# Altium PCB new -finish.PcbDoc (part 1 of 2)
Units mil, origin at the board's own origin, x right, y up, seen from the top; angles counter-clockwise.
Board outline 5529.7 x 2299.1 mil, 2 copper layers (Top Layer, Bottom Layer); 128 components, 106 nets, 434 pads, 104 vias.
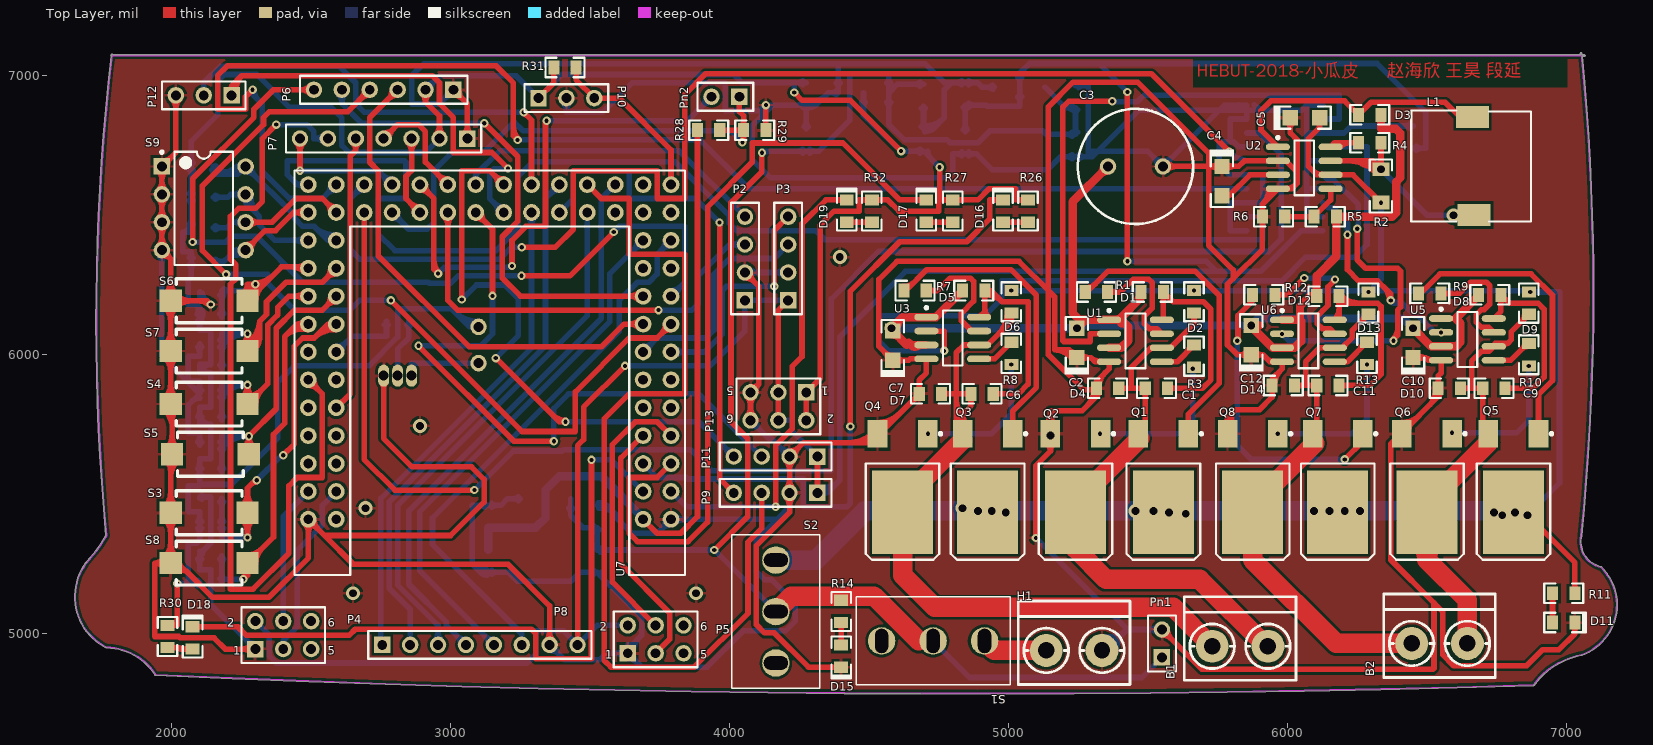
[diagram p0: Top Layer view]
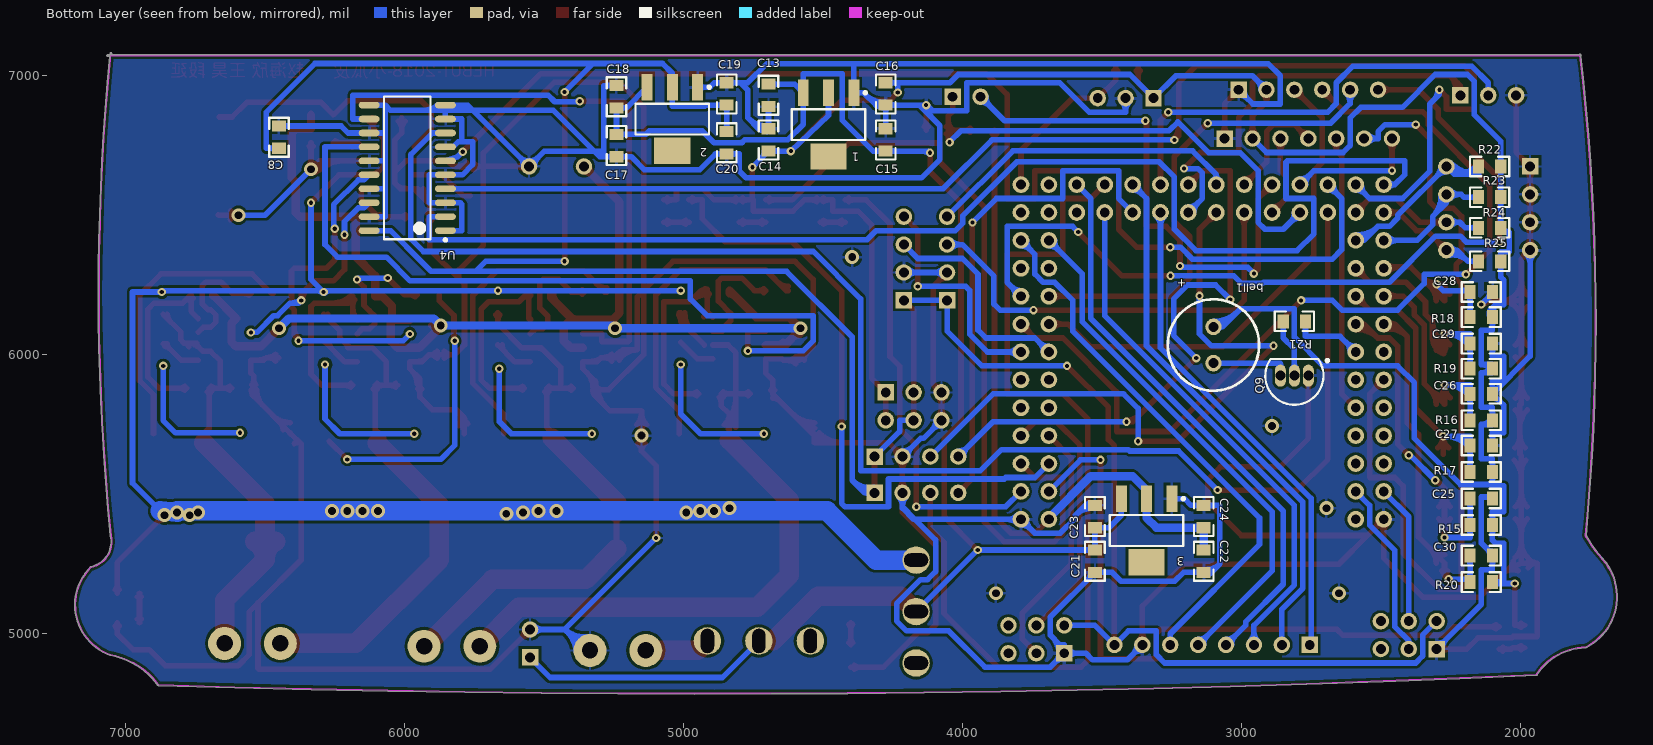
[diagram p1: Bottom Layer view, seen from below]

## Layer stack, top to bottom
Top Layer: signal copper 1.4
Dielectric: dielectric 12.6, FR-4, Dk 4.8
Bottom Layer: signal copper 1.4

## Board outline
1766.46,4948.82 cw(c1763.61,4739.71) 1766.48,4948.82 cw(c1766.49,4951.34) 1765.36,4949.09 cw(c1857.94,5132.66) 1701.98,5266.61 cw(c1703.89,5264.97) 1702.05,5266.69 ccw(c1354.87,5583.62) 1763.92,5351.97 cw(c10055.25,6117.88) 1783.27,7070.29 cw(c1785,7072.11) 1783.73,7074.28 cw(c10055.25,6117.88) 1783.83,7075.14 cw(c1786.32,7074.85) 1788.84,7074.85 cw(c1786.32,7074.85) 1788.83,7074.62 7050.6,7074.62 ccw(c-1623.14,6220.55) 7050.08,7079.96 cw(c7052.58,7080.21) 7055.08,7080.46 cw(c-1623.14,6220.55) 7055.66,7074.62 7064.01,7074.62 cw(c7064.01,7072.11) 7066.52,7072.11 cw(c7064.01,7072.11) 7064.01,7069.6 7056.15,7069.6 cw(c-1623.14,6220.55) 7097.58,6220.55 cw(c-1623.14,6220.55) 7054.14,5351.17 cw(c7051.63,5351.42) 7054.08,5350.85 ccw(c7144.82,5330.7) 7124.63,5239.97 ccw(c7144.82,5330.7) 7124.65,5239.97 7124.63,5239.97 cw(c7124.11,5237.51) 7125.89,5239.29 cw(c6989.57,5103.27) 7182.14,5103.27 cw(c6989.57,5103.27) 7055.42,4922.3 cw(c7054.56,4924.67) 7055.01,4922.19 ccw(c7103.51,4655.1) 6884.42,4815.39 ccw(c7103.51,4655.1) 6884.41,4815.37 6884.42,4815.39 cw(c6882.38,4816.86) 6882.46,4814.34 cw(c4888.74,69406.09) 1942.07,4850.8 cw(c1942.19,4853.31) 1940.05,4851.98 cw(c1763.61,4739.71) 1940.06,4851.96 1940.05,4851.98 ccw(c1763.61,4739.71)

## Design rules (kind name [scope] priority, off if disabled: settings)
Clearance [All] p1: gap=10
PolygonConnect [All] p1: connectstyle=Relief reliefconductorwidth=10 reliefentries=4 polygonreliefangle="90 Angle" airgapwidth=10
RoutingVias [All] p1: holewidth=15 width=30 viastyle="Through Hole" minholewidth=15 minwidth=30 maxholewidth=15 maxwidth=30
SolderMaskExpansion [All] p1: expansion=4
Width [All] p1: maxlimit=80 minlimit=20 preferedwidth=20
28 further rules are at their usual default settings.

## Classes and differential pairs
component class "mos motor": B1 B2 C1 C2 C3 C4 C5 C6 C7 C8 C9 C10 C11 C12 D1 D2 D3 D4 D5 D6 D7 D8 D9 D10 D11 D12 D13 D14 L1 Q1 Q2 Q3 Q4 Q5 Q6 Q7 Q8 R1 R2 R3 R4 R5 R6 R7 R8 R9 R10 R11 R12 R13 U1 U2 U3 U4 U5 U6
component class 新主控板: 1 2 3 bell1 C13 C14 C15 C16 C17 C18 C19 C20 C21 C22 C23 C24 C25 C26 C27 C28 C29 C30 D15 D16 D17 D18 D19 H1 P2 P3 P4 P5 P6 P7 P8 P9 P10 P11 P12 P13 Pn1 Pn2 Q9 R14 R15 R16 R17 R18 R19 R20 R21 R22 R23 R24 R25 R26 R27 R28 R29 R30 R31 R32 S1 S2 S3 S4 S5 S6 S7 S8 S9 U7

## Components (designator, comment, footprint, x,y, rotation, side; value= is the part's Value field where it differs from the comment)
1 "LT1117-3.3" 1117 4480,6825 r270 bottom
2 "LT1117-5.0" 1117 5040,6845 r270 bottom
3 "LT1117-5" 1117 3340,5370 r270 bottom
B1 "Motor" KF301-2P 5830,4955 r90 top
B2 "Motor" KF301-2P 6545,4965 r90 top
bell1 "Bell" 470uF 3100,6140 r270 bottom
C1 "Cap" 0805(2012) 5530,5880 r180 top
C2 "Cap Pol1" SOD-323(0805) 5245,6040 r270 top
C3 "Cap Pol1" RB5-10.5 5455,6675 r0 top
C4 "Cap Pol1" SOD-323(0805) 5765,6625 r90 top
C5 "Cap Pol1" SOD-323(0805) 6060,6850 r180 top
C6 "Cap" 0805(2012) 4905,5860 r180 top
C7 "Cap Pol1" SOD-323(0805) 4585,6030 r270 top
C8 "Cap" 0805(2012) 6450,6780 r270 bottom
C9 "Cap" 0805(2012) 6740,5880 r180 top
C10 "Cap Pol1" SOD-323(0805) 6450,6040 r270 top
C11 "Cap" 0805(2012) 6145,5890 r180 top
C12 "Cap Pol1" SOD-323(0805) 5870,6050 r270 top
C13 "Cap Pol1" 0805(2012) 4695,6930 r270 bottom
C14 "Cap Pol1" 0805(2012) 4695,6770 r90 bottom
C15 "Cap" 0805(2012) 4275,6770 r270 bottom
C16 "Cap" 0805(2012) 4275,6935 r90 bottom
C17 "Cap" 0805(2012) 5240,6750 r90 bottom
C18 "Cap" 0805(2012) 5240,6925 r270 bottom
C19 "Cap" 0805(2012) 4845,6935 r270 bottom
C20 "Cap" 0805(2012) 4845,6760 r90 bottom
C21 "Cap Pol1" 0805(2012) 3525,5260 r270 bottom
C22 "Cap Pol1" 0805(2012) 3135,5260 r270 bottom
C23 "Cap" 0805(2012) 3525,5420 r270 bottom
C24 "Cap" 0805(2012) 3135,5420 r270 bottom
C25 "Cap" 0805(2012) 2140,5485 r0 bottom
C26 "Cap" 0805(2012) 2140,5860 r0 bottom
C27 "Cap" 0805(2012) 2140,5675 r0 bottom
C28 "Cap" 0805(2012) 2140,6225 r0 bottom
C29 "Cap" 0805(2012) 2140,6040 r0 bottom
C30 "Cap" 0805(2012) 2140,5280 r0 bottom
D1 "1N5819" 0805(2012) 5515,6225 r180 top
D2 "1N5819" 0805(2012) 5665,6190 r270 top
D3 "1N5819" 0805(2012) 6295,6860 r180 top
D4 "1N5819" 0805(2012) 5355,5880 r180 top
D5 "1N5819" 0805(2012) 4875,6230 r180 top
D6 "1N5819" 0805(2012) 5010,6190 r270 top
D7 "1N5819" 0805(2012) 4720,5860 r180 top
D8 "1N5819" 0805(2012) 6725,6215 r180 top
D9 "1N5819" 0805(2012) 6865,6185 r270 top
D10 "1N5819" 0805(2012) 6580,5880 r180 top
D11 "RED" 0805LED 6990,5040 r0 top
D12 "1N5819" 0805(2012) 6145,6210 r180 top
D13 "1N5819" 0805(2012) 6290,6185 r270 top
D14 "1N5819" 0805(2012) 5985,5890 r180 top
D15 "RED" 0805LED 4400,4920 r270 top
D16 "LED0" 0805LED 4980,6515 r90 top
D17 "LED0" 0805LED 4705,6515 r90 top
D18 "LED0" 0805LED 2075,4985 r90 top
D19 "LED0" 0805LED 4420,6515 r90 top
H1 "H1" KF301-2P 5235,4940 r90 top
L1 "Inductor" 电感10*12 6660,6675 r90 top
P2 "blueteeth" HDR1X4 4055,6195 r90 top
P3 "blueteeth" HDR1X4 4210,6195 r90 top
P4 "encode_2" HDR2X3 2300,4945 r0 top
P5 "encode_1" HDR2X3 3635,4930 r0 top
P6 "Header 6" HDR1X6 3010,6950 r180 top
P7 "遥控" HDR1X7 3060,6775 r180 top
P8 "Header 8" HDR1X8 2755,4960 r0 top
P9 "Header 4" HDR1X4 4315,5505 r180 top
P10 "Header 3" HDR1X3 3315,6920 r0 top
P11 "Header 4" HDR1X4 4315,5635 r180 top
P12 "Header 3" HDR1X3 2215,6930 r180 top
P13 "Header 3X2" HDR2X3 4275,5865 r180 top
Pn1 "Header 2" HDR1X2 5550,4915 r90 top
Pn2 "Header 2" HDR1X2 4035,6925 r180 top
Q1 "IR7843" LR7843 5555,5575 r90 top
Q2 "IR7843" LR7843 5240,5575 r90 top
Q3 "IR7843" LR7843 4925,5575 r90 top
Q4 "IR7843" LR7843 4620,5575 r90 top
Q5 "IR7843" LR7843 6810,5575 r90 top
Q6 "IR7843" LR7843 6500,5575 r90 top
Q7 "IR7843" LR7843 6180,5575 r90 top
Q8 "IR7843" LR7843 5875,5575 r90 top
Q9 "NPN9013" TO-226-AE 2810,5925 r90 bottom
R1 "Res2" 0805(2012) 5315,6225 r180 top
R2 "Res2" 1206(3216) 6335,6605 r270 top
R3 "Res2" 0805(2012) 5665,5995 r270 top
R4 "Res2" 0805(2012) 6295,6760 r0 top
R5 "Res2" 0805(2012) 6135,6495 r180 top
R6 "Res2" 0805(2012) 5950,6495 r0 top
R7 "Res2" 0805(2012) 4665,6230 r180 top
R8 "Res2" 0805(2012) 5010,6005 r270 top
R9 "Res2" 0805(2012) 6510,6220 r180 top
R10 "Res2" 0805(2012) 6865,6000 r270 top
R11 "Res2" 0805(2012) 6990,5145 r180 top
R12 "Res2" 0805(2012) 5915,6215 r180 top
R13 "Res2" 0805(2012) 6285,6005 r270 top
R14 "Res2" 0805(2012) 4400,5080 r90 top
R15 "Res2" 0805(2012) 2140,5390 r180 bottom
R16 "Res2" 0805(2012) 2140,5765 r180 bottom
R17 "Res2" 0805(2012) 2140,5580 r180 bottom
R18 "Res2" 0805(2012) 2140,6135 r180 bottom
R19 "Res2" 0805(2012) 2140,5950 r180 bottom
R20 "Res2" 0805(2012) 2140,5185 r180 bottom
R21 "Res2" 0805(2012) 2810,6120 r0 bottom
R22 "Res2" 0805(2012) 2110,6675 r180 bottom
R23 "Res2" 0805(2012) 2110,6565 r180 bottom
R24 "Res2" 0805(2012) 2110,6455 r180 bottom
R25 "Res2" 0805(2012) 2110,6335 r180 bottom
R26 "Res2" 0805(2012) 5070,6515 r90 top
R27 "Res2" 0805(2012) 4800,6515 r90 top
R28 "Res2" 0805(2012) 3925,6805 r0 top
R29 "Res2" 0805(2012) 4090,6805 r0 top
R30 "Res2" 0805(2012) 1985,4990 r90 top
R31 "Res2" 0805(2012) 3410,7030 r0 top
R32 "Res2" 0805(2012) 4510,6515 r90 top
S1 "SW-SPST" SWICH_3 4730,4975 r90 top
S2 "SW-SPST" SWICH_3 4165,5080 r180 top
S3 "SW-PB" PCBComponent_1 2130,5445 r180 top
S4 "SW-PB" PCBComponent_1 2130,5835 r180 top
S5 "SW-PB" PCBComponent_1 2135,5655 r180 top
S6 "SW-PB" PCBComponent_1 2130,6205 r180 top
S7 "SW-PB" PCBComponent_1 2130,6025 r180 top
S8 "SW-PB" PCBComponent_1 2130,5265 r180 top
S9 "SW-DIP4" DIP-8 2115,6525 r0 top
U1 "IR2104  S" IR2104S 5455,6050 r0 top
U2 "MC34063" MC34063 6060,6670 r0 top
U3 "IR2104  S" IR2104S 4800,6060 r0 top
U4 "74ls244" 74ls244Da 5990,6670 r0 bottom
U5 "IR2104  S" IR2104S 6645,6055 r0 top
U6 "IR2104  S" IR2104S 6075,6050 r0 top
U7 "KEA128" KEA128_BOARD 3140,6010 r180 top

## Footprints (in the part's own frame and the unit in brackets; to place one, negate y for a bottom-side part, rotate by r counter-clockwise, add the part's x,y. Pads: shape width x height; smd on the part's side, far side on the other; paste and mask are expansions set on the pad)
74ls244Da [mm] "SOP, 20-Leads, Body 12.80x5.50mm, Pitch 1.27mm, IPC Medium Density"
  oval 1.9x0.6 smd: 1(-3.475,5.715) 2(-3.475,4.445) 3(-3.475,3.175) 4(-3.475,1.905) 5(-3.475,0.635) 6(-3.475,-0.635) 7(-3.475,-1.905) 8(-3.475,-3.175) 9(-3.475,-4.445) 10(-3.475,-5.715) 11(3.475,-5.715) 12(3.475,-4.445) 13(3.475,-3.175) 14(3.475,-1.905) 15(3.475,-0.635) 16(3.475,0.635) 17(3.475,1.905) 18(3.475,3.175) 19(3.475,4.445) 20(3.475,5.715)
  silkscreen extent -3.6,-6.5 2.13,6.69, body extent -2.8,-6.5 2.8,6.5, height 2.2
470uF [mm]
  round 1.5 hole 0.9: 1(1.016,0) 2(4.318,0)
  silkscreen extent -1.49,-4.16 6.83,4.16
0805(2012) [mil]
  rect 40x50 smd: 1(-40,0) 2(40,0)
  silkscreen extent -70,-35 70,35
0805LED [mil]
  rect 40x50 smd: 1(-40,0) 2(40,0)
  silkscreen extent -70,-35 80,35
1117 [mm] "SOT223, 4-Leads, Body 6.50x7.00mm (avg), Pitch 2.30mm, IPC Medium Density"
  rect 2.4x1 smd: 1(-2.9,2.3) 2(-2.9,0) 3(-2.9,-2.3)
  rect 2.4x3.3 smd: 4(2.9,0)
  silkscreen extent -3.02,-3.35 1.4,3.47, body extent -1.86,-3.35 1.86,3.35, height 1.8
1206(3216) [mil]
  rect 50x60 smd: 1(-60,0) 2(60,0)
  silkscreen extent -95,-40 95,40
DIP-8 [mm] "DIP; 8 Leads; Row Spacing 7.62 mm; Pitch 2.54 mm"
  rect 1.5x1.5 hole 0.9: 1(-3.81,3.81)
  round 1.5 hole 0.9: 2(-3.81,1.27) 3(-3.81,-1.27) 4(-3.81,-3.81) 5(3.81,-3.81) 6(3.81,-1.27) 7(3.81,1.27) 8(3.81,3.81)
  silkscreen extent -3.93,-5.15 2.65,5.23, body extent -3.6,-5.15 3.6,5.15, height 5.08
HDR1X2 [mm] "Connector; Header; 2 Position"
  rect 1.5x1.5 hole 0.9: 1(0,0)
  round 1.5 hole 0.9: 2(2.54,0)
  silkscreen extent -1.27,-1.27 3.81,1.27
HDR1X3 [mm] "Connector; Header; 3 Position"
  rect 1.5x1.5 hole 0.9: 1(0,0)
  round 1.5 hole 0.9: 2(2.54,0) 3(5.08,0)
  silkscreen extent -1.27,-1.27 6.35,1.27
HDR1X4 [mm] "Connector; Header; 4 Position"
  rect 1.5x1.5 hole 0.9: 1(0,0)
  round 1.5 hole 0.9: 2(2.54,0) 3(5.08,0) 4(7.62,0)
  silkscreen extent -1.27,-1.27 8.89,1.27
HDR1X6 [mm] "Connector; Header; 6 Position"
  rect 1.5x1.5 hole 0.9: 1(0,0)
  round 1.5 hole 0.9: 2(2.54,0) 3(5.08,0) 4(7.62,0) 5(10.16,0) 6(12.7,0)
  silkscreen extent -1.27,-1.27 13.97,1.27
HDR1X7 [mm] "Connector; Header; 7 Position"
  rect 1.5x1.5 hole 0.9: 1(0,0)
  round 1.5 hole 0.9: 2(2.54,0) 3(5.08,0) 4(7.62,0) 5(10.16,0) 6(12.7,0) 7(15.24,0)
  silkscreen extent -1.27,-1.27 16.51,1.27
HDR1X8 [mm] "Connector; Header; 8 Position"
  rect 1.5x1.5 hole 0.9: 1(0,0)
  round 1.5 hole 0.9: 2(2.54,0) 3(5.08,0) 4(7.62,0) 5(10.16,0) 6(12.7,0) 7(15.24,0) 8(17.78,0)
  silkscreen extent -1.27,-1.27 19.05,1.27
HDR2X3 [mm] "Connector; Header; 3x2 Position"
  rect 1.5x1.5 hole 0.9: 1(0,0)
  round 1.5 hole 0.9: 2(0,2.54) 3(2.54,0) 4(2.54,2.54) 5(5.08,0) 6(5.08,2.54)
  silkscreen extent -1.27,-1.27 6.35,3.81
IR2104S [mm] "SOIC, 8-Leads, Body 4.90x3.90mm, Pitch 1.27mm, IPC Medium Density"
  oval 2.2x0.6 smd: 1(-2.4,1.905) 2(-2.4,0.635) 3(-2.4,-0.635) 4(-2.4,-1.905) 5(2.4,-1.905) 6(2.4,-0.635) 7(2.4,0.635) 8(2.4,1.905)
  silkscreen extent -2.52,-2.5 0.9,2.88, body extent -2,-2.5 2,2.5, height 1.75
KEA128_BOARD [mil]
  round 60 hole 35: 1(-650,600) 2(-550,600) 3(-650,500) 4(-550,500) 5(-650,400) 6(-550,400) 7(-650,300) 8(-550,300) 9(-650,200) 10(-550,200) 11(-650,100) 12(-550,100) 13(-650,0) 14(-550,0) 15(-650,-100) 16(-550,-100) 17(-650,-200) 18(-550,-200) 19(-650,-300) 20(-550,-300) 21(-650,-400) 22(-550,-400) 23(-650,-500) 24(-550,-500) 25(-650,-600) 26(-550,-600) 27(-450,-500) 28(-450,-600) 29(-350,-500) 30(-350,-600) 31(-250,-500) 32(-250,-600) 33(-150,-500) 34(-150,-600) 35(-50,-500) 36(-50,-600) 37(50,-500) 38(50,-600) 39(150,-500) 40(150,-600) 41(250,-500) 42(250,-600) 43(350,-500) 44(350,-600) 45(450,-500) 46(450,-600) 47(550,-500) 48(550,-600) 49(650,-500) 50(650,-600) 51(550,-400) 52(650,-400) 53(550,-300) 54(650,-300) 55(550,-200) 56(650,-200) 57(550,-100) 58(650,-100) 59(550,0) 60(650,0) 61(550,100) 62(650,100) 63(550,200) 64(650,200) 65(550,300) 66(650,300) 67(550,400) 68(650,400) 69(550,500) 70(650,500) 71(550,600) 72(650,600)
  silkscreen extent -700,-650 700,800
KF301-2P [mm]
  round 3 hole 1.5: 1(0,-2.54) 2(0,2.54)
  silkscreen extent -3.1,-5.08 4.5,5.08
LR7843 [mm]
  rect 2.54x1.778 smd: 1(3.6,-2.28) 3(3.6,2.28)
  rect 7.6x5.55 smd: 2(-3.556,0)
  silkscreen extent -7.87,-3.58 3.72,3.35
MC34063 [mm] "SOIC, 8-Leads, Body 4.90x3.90mm, Pitch 1.27mm, IPC Medium Density"
  oval 2.2x0.6 smd: 1(-2.4,1.905) 2(-2.4,0.635) 3(-2.4,-0.635) 4(-2.4,-1.905) 5(2.4,-1.905) 6(2.4,-0.635) 7(2.4,0.635) 8(2.4,1.905)
  silkscreen extent -2.52,-2.5 0.9,2.88, body extent -2,-2.5 2,2.5, height 1.75
PCBComponent_1 [mil]
  rect 80x80 smd: 1(133.86,11.81) 2(-141.73,11.81)
  silkscreen extent -122,-67 114,91
RB5-10.5 [mm] "Capacitor (Radial); 2 Leads"
  round 1.5 hole 0.9: 1(-2.5,0) 2(2.5,0)
  silkscreen extent -5.25,-5.25 5.25,5.25
SOD-323(0805) [mil]
  rect 55x55 smd: 1(-55,0) 2(50,0)
  silkscreen extent -95,-44 110,44
SWICH_3 [mm]
  round 2.5 hole 1.2 slot 2.2 at 0 deg: 1(-0.025,-4.674) 2(-0.025,0.013) 3(-0.025,4.699)
  silkscreen extent -4,-7 4,7
TO-226-AE [mm] "TO, Flat Index; 3 In-Line, Axial Leads; Body Dia. 4.8mm; Leads 0.55 x 0.51 mm (max)"
  oval 2x1 hole 0.9: 1(0,-1.27) 2(0,0) 3(0,1.27)
  silkscreen extent -2.65,-3.13 1.52,2.65, body extent -2.66,-2.66 1.52,2.66, height 7.87
电感10*12 [mm]
  rect 2x3 smd: 1(-4.4,-0.2) 2(4.5,-0.1)
  silkscreen extent -5,-5.4 5.1,5.5

## Part data
2 3: library part LT1117-3.3
B1 B2: library part "Motor Servo", "Servo Motor"
bell1: "Electrical Bell"
C1 C6 C8 C9 C11 C15 C16 C17 C18 C19 C20 C23 C24 C25 C26 C27 C28 C29 C30: "Capacitor"
C2 C3 C4 C5 C7 C10 C12 C13 C14 C21 C22: "Polarized Capacitor (Radial)"
D1 D2 D3 D4 D5 D6 D7 D8 D9 D10 D12 D13 D14: library part 1N4148, "Silicon Epitaxial Planar Diode for Various Detector, Modulator, Demodulator"
D11 D15: library part LED2, "Typical RED, GREEN, YELLOW, AMBER GaAs LED"
D16 D17 D18 D19: "Typical INFRARED GaAs LED"
P4 P5: library part encode
P6: "Header, 6-Pin"
P7: library part MHDR1X7, "Header, 7-Pin"
P8: "Header, 8-Pin"
P9 P11: "Header, 4-Pin"
P10 P12: "Header, 3-Pin"
P13: "Header, 3-Pin, Dual row"
Pn1 Pn2: "Header, 2-Pin"
Q1 Q2 Q3 Q4 Q5 Q6 Q7 Q8: "N-Channel Power MOSFET"
Q9: library part 2N3904, "NPN General Purpose Amplifier"
R1 R2 R3 R4 R5 R6 R7 R8 R9 R10 R11 R12 R13 R14 R15 R16 R17 R18 R19 R20 R21 R22 R23 R24 R25 R26 R27 R28 R29 R30 R31 R32: "Resistor"
S1 S2: "Single-Pole, Single-Throw Switch"
S3 S4 S5 S6 S7 S8: "Switch"
S9: "DIP Switch"
U2: library part Component_1

## Via types
v1: diameter 30, hole 15, Top Layer to Bottom Layer, 76 vias
v2: diameter 50, hole 28, Top Layer to Bottom Layer, 28 vias

## Nets (pads, with @x,y where several pads share a name; then routed paths per layer and width w, separated by ;. In a path a pad name is that pad's centre, name@x,y a point inside that pad or via, vN(x,y) a via of type N, cw(c..) or ccw(c..) an arc to the next point about the centre after c; other vN are vias at no path point)
3V3: 1.2 bell1.1 C14.1 C16.2 P6.2 P7.2 P10.1 P13.1 P13.2 R15.2 R16.2 R17.2 R18.2 R19.2 R20.2 R22.2 R23.2 R24.2 R25.2 R26.2 R27.2 R30.2 R31.1 R32.2 | length 11173.7
  Top Layer w20: R30.2@1985,5030 2020,5030 v1(2020,5180) ; R30.2@1997.07,5022.93 cw(c2014.14,5005.86) 2014.14,5030 cw(c2014.14,5054.14) R30.2@1997.07,5037.07 ; P6.2@2896.91,6935.51 cw(c2870.27,6906.03) 2910,6906.03 ; P6.2@2910,6950 2910,6906.03 ; P6.2@2923.09,6935.51 ccw(c2949.73,6906.03) 2910,6906.03 ; P7.2@2946.19,6788.81 ccw(c2912.86,6822.14) 2960,6822.14 ccw(c3007.14,6822.14) P7.2@2973.81,6788.81 ; P7.2@2960,6775 2960,6856.03 2910,6906.03 ; P10.1@3315,6920 3370,6975 R31.1@3370,7030 ; R31.1@3362.93,7017.93 cw(c3345.86,7000.86) 3370,7000.86 cw(c3394.14,7000.86) R31.1@3377.07,7017.93 ; v1(4232,6940) 4260,6912 4433,6912 v1(4615,6730) ; P13.2@4275,5765 P13.1@4275,5865 4325,5915 4325,6465 4375,6515 4465,6515 4465,6555 R32.2@4510,6555 4567,6555 4607,6515 4750,6515 4750,6555 4753,6555 ; R32.2@4497.93,6547.93 ccw(c4480.86,6530.86) 4480.86,6555 ccw(c4480.86,6579.14) R32.2@4497.93,6562.07 ; R32.2@4522.07,6547.93 cw(c4539.14,6530.86) 4539.14,6555 cw(c4539.14,6579.14) R32.2@4522.07,6562.07 ; v1(4753,6672) 4753,6555 ; R27.2@4787.93,6547.93 ccw(c4770.86,6530.86) 4770.86,6555 ccw(c4770.86,6579.14) R27.2@4787.93,6562.07 ; R27.2@4812.07,6547.93 cw(c4829.14,6530.86) 4829.14,6555 cw(c4829.14,6579.14) R27.2@4812.07,6562.07 ; R26.2@5057.93,6547.93 ccw(c5040.86,6530.86) 5040.86,6555 ccw(c5040.86,6579.14) R26.2@5057.93,6562.07 ; R26.2@5070,6555 5025,6555 5025,6595 4930,6595 4890,6555 R27.2@4800,6555 4753,6555
  Bottom Layer w20: v1(2020,5180) 2100,5180 R20.2@2100,5185 2060,5185 2060,5325 2090,5325 2100,5335 R15.2@2100,5390 2100,5437 2060,5437 2060,5530 2100,5530 2100,5535 ; R24.2@2060.61,6453.43 cw(c2040,6460.96) 2040,6439.02 ; R25.2@2062.93,6322.93 cw(c2045.86,6305.86) 2070,6305.86 cw(c2094.14,6305.86) R25.2@2077.07,6322.93 ; R25.2@2062.93,6347.07 ccw(c2045.86,6364.14) 2070,6364.14 ccw(c2094.14,6364.14) R25.2@2077.07,6347.07 ; R24.2@2062.93,6467.07 ccw(c2045.86,6484.14) 2070,6484.14 ccw(c2094.14,6484.14) R24.2@2077.07,6467.07 ; R23.2@2062.93,6552.93 cw(c2045.86,6535.86) 2070,6535.86 cw(c2094.14,6535.86) R23.2@2077.07,6552.93 ; R23.2@2062.93,6577.07 ccw(c2045.86,6594.14) 2070,6594.14 ccw(c2094.14,6594.14) R23.2@2077.07,6577.07 ; R22.2@2062.93,6662.93 cw(c2045.86,6645.86) 2070,6645.86 cw(c2094.14,6645.86) R22.2@2077.07,6662.93 ; R22.2@2062.93,6687.07 ccw(c2045.86,6704.14) 2070,6704.14 ccw(c2094.14,6704.14) R22.2@2077.07,6687.07 ; R18.2@2091.73,6145.63 ccw(c2069.36,6160.86) 2088.5,6180 ; R20.2@2092.93,5172.93 ccw(c2075.86,5155.86) 2075.86,5180 ccw(c2075.86,5204.14) R20.2@2092.93,5187.07 ; R20.2@2092.93,5177.93 ccw(c2075.86,5160.86) 2075.86,5185 ccw(c2075.86,5209.14) R20.2@2092.93,5192.07 ; R15.2@2092.93,5377.93 cw(c2075.86,5360.86) 2100,5360.86 cw(c2124.14,5360.86) R15.2@2107.07,5377.93 ; R15.2@2092.93,5402.07 ccw(c2075.86,5419.14) 2100,5419.14 ccw(c2124.14,5419.14) R15.2@2107.07,5402.07 ; R17.2@2092.93,5567.93 cw(c2075.86,5550.86) 2100,5550.86 cw(c2124.14,5550.86) R17.2@2107.07,5567.93 ; R17.2@2092.93,5592.07 ccw(c2075.86,5609.14) 2100,5609.14 ccw(c2124.14,5609.14) R17.2@2107.07,5592.07 ; R16.2@2092.93,5777.07 ccw(c2075.86,5794.14) 2100,5794.14 ccw(c2124.14,5794.14) R16.2@2107.07,5777.07 ; R18.2@2092.93,6122.93 cw(c2075.86,6105.86) 2100,6105.86 cw(c2124.14,6105.86) R18.2@2107.07,6122.93 ; R18.2@2092.93,6147.07 ccw(c2075.86,6164.14) 2100,6164.14 ccw(c2124.14,6164.14) R18.2@2107.07,6147.07 ; 2105.58,6162.92 cw(c2089.68,6147.02) R18.2@2108.27,6134.37 ; R16.2@2108,5766 ccw(c2140,5790) 2140,5750 ; R19.2@2108,5949 cw(c2140,5925) 2140,5965 ; R19.2@2108,5951 ccw(c2140,5975) 2140,5935 ; P6.2@2910,6950 2960,7000 3235,7000 P10.1@3315,6920 3399.53,7004.53 4015,7004.53 4044.53,6975 4232,6975 ; P6.2@2910,6969.53 ccw(c2910,7016.67) 2943.34,6983.34 ccw(c2976.67,6950) P6.2@2929.53,6950 ; P7.2@2960,6775 2910,6725 2635,6725 2610,6750 2610,6849 2572,6887 2423,6887 2305.28,7004.72 2189.72,7004.72 2165,6980 2165,6860 2070,6765 R22.2@2070,6675 R23.2@2070,6565 R24.2@2070,6455 2070,6439.02 2040,6439.02 ; 3012.04,6155.96 ccw(c3100,6243.93) bell1.1@3100,6119.53 ; 3046.18,6121.82 ccw(c3100,6175.64) bell1.1@3100,6099.53 ; bell1.1@3082.63,6091.07 ccw(c3068,6083.55) 3068,6100 ; bell1.1@3082.63,6108.93 cw(c3068,6116.45) 3068,6100 ; bell1.1@3100,6100 3068,6100 ; v1(4232,6940) 4232,6975 ; C16.2@4262.93,6967.93 ccw(c4245.86,6950.86) 4245.86,6975 ccw(c4245.86,6999.14) C16.2@4262.93,6982.07 ; C16.2@4275,6975 4232,6975 ; 1.2@4473.15,6904.77 cw(c4456.62,6888.23) 4480,6888.23 cw(c4503.38,6888.23) 1.2@4486.85,6904.77 ; 1.2@4480,6939.17 4480,6858 v1(4615,6730) C14.1@4695,6730 v1(4753,6672) ; C14.1@4682.93,6722.93 ccw(c4665.86,6705.86) 4665.86,6730 ccw(c4665.86,6754.14) C14.1@4682.93,6737.07 ; C14.1@4710,6730 ccw(c4746.21,6730) 4720.61,6704.39 ; 2040,6439.02 2040,6369.02 2070,6369.02 R25.2@2070,6335 2070,6278 2060,6268 2060,6180 2088.5,6180 ; 2088.5,6180 2100,6168.5 R18.2@2100,6135 2100,6088 2140,6088 2140,5965 ; 2100,5535 2215,5535 2380,5700 2380,5900 2440,5960 2707,5960 2810,6063 2810,6165 3003,6165 3068,6100 ; 2100,5535 R17.2@2100,5580 2100,5627 2140,5627 2140,5750 ; 2140,5750 2100,5750 R16.2@2100,5765 2100,5812 2140,5812 2140,5935 ; 2140,5935 2100,5935 R19.2@2100,5950 2100,5965 2140,5965
5V: 2.2 C8.2 C19.2 C20.2 P2.1 P3.1 P4.2 P5.2 P8.8 P9.1 P11.1 P13.3 P13.4 U4.20 | length 10318.3
  Top Layer w20: P8.8@3455,4960 3455,5674 3477,5696 3477,5812 v1(3625,5960) ; P13.4@4175,5765 P13.3@4175,5865 4175,6160 P3.1@4210,6195 ; P9.1@4315,5505 P11.1@4315,5635 ; v1(5426,6335) v1(5426,6942)